# Altium PCB amp.PcbDoc (part 8 of 20) (continued)
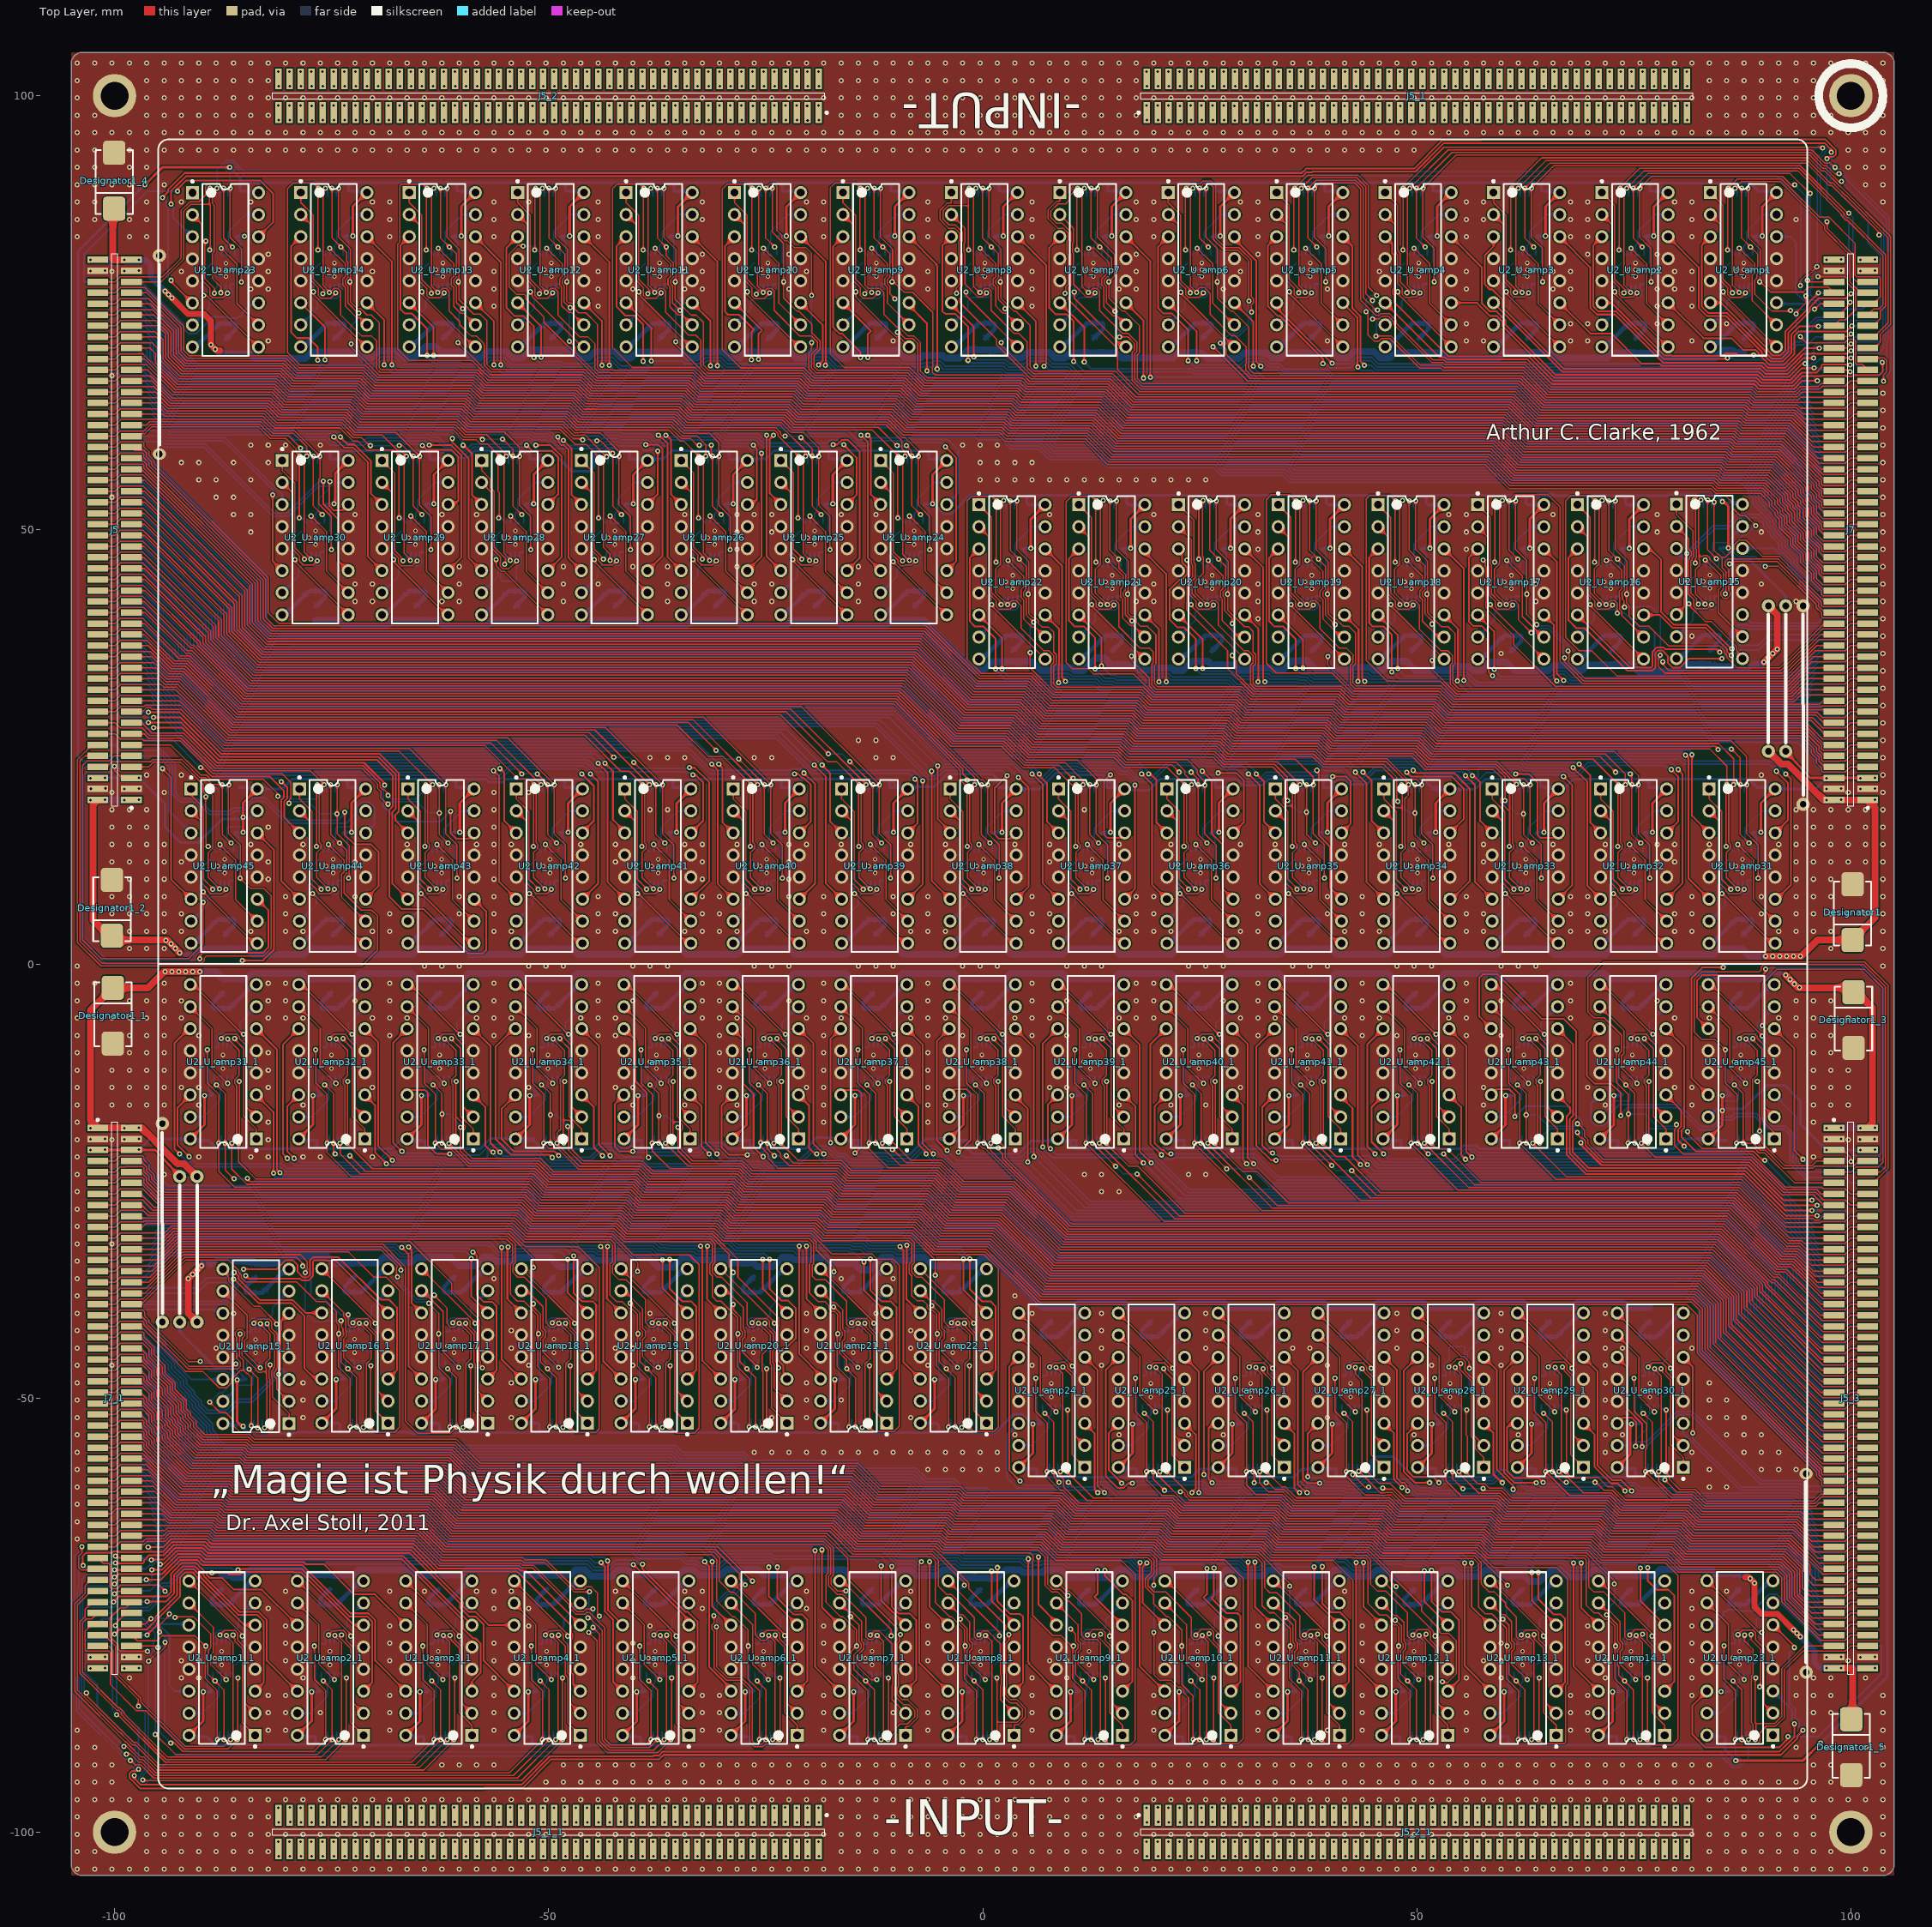
[diagram p0: Top Layer view]
## Nets (pads, with @x,y where several pads share a name; then routed paths per layer and width w, separated by ;. In a path a pad name is that pad's centre, name@x,y a point inside that pad or via, vN(x,y) a via of type N, cw(c..) or ccw(c..) an arc to the next point about the centre after c; other vN are vias at no path point) (continued)
NetJ5_13: J5.13 J5_3.13 R1_U_amp44.6 R1_U_amp44_1.6 U1_U_amp44.5 U1_U_amp44_1.5 | length 79.4
  Top Layer w0.15: J5.13@-98.05,26.505 -96.586,26.505 -96.081,26 -92.324,26 -89.024,22.7 -89.017,22.7 -88.558,22.241 -77.446,22.241 v1(-75.87,20.665) -76.433,20.102 -76.433,13.996 -76.208,13.771 -76.208,13.336 -76.71,12.834 -76.71,9.948 v1(-75.412,8.651) v1@-75.412,8.626 ; v1@75.412,-8.626 v1(75.412,-8.651) 76.71,-9.948 76.71,-12.834 76.208,-13.336 76.208,-13.771 76.433,-13.996 76.433,-20.102 v1(75.87,-20.665) 77.446,-22.241 88.558,-22.241 89.017,-22.7 89.024,-22.7 92.324,-26 96.081,-26 96.586,-26.505 J5_3.13@98.05,-26.505
  Bottom Layer w0.15: v1(-75.87,20.665) -75.612,20.407 R1_U_amp44.6@-75.612,19.768 ; v1(-75.412,8.651) -75.338,8.726 U1_U_amp44.5@-75.338,9.618 ; U1_U_amp44_1.5@75.338,-9.618 75.338,-8.726 v1(75.412,-8.651) ; R1_U_amp44_1.6@75.612,-19.768 75.612,-20.407 v1(75.87,-20.665)
NetJ5_14: J5.14 J5_3.14 R1_U_amp44.8 R1_U_amp44_1.8 U1_U_amp44.1 U1_U_amp44_1.1 | length 92.7
  Top Layer w0.15: J5.14@-101.95,26.505 -99.938,26.505 -99.343,25.91 -96.837,25.91 -96.627,25.7 -92.449,25.7 -89.674,22.925 -88.673,21.925 -80.725,21.925 -79.7,20.9 -79.7,19.1 -79.775,19.025 -79.775,18.943 -79.9,18.818 v1(-79.9,18.5) ; v1(-74.346,20.665) -74.362,20.649 -74.362,15.026 -72.975,13.64 -72.975,9.945 v1(-73.05,9.87) ; v1(73.05,-9.87) 72.975,-9.945 72.975,-13.64 74.362,-15.026 74.362,-20.649 v1(74.346,-20.665) ; v1(79.9,-18.5) 79.9,-18.818 79.775,-18.943 79.775,-19.025 79.7,-19.1 79.7,-20.9 80.725,-21.925 88.673,-21.925 89.674,-22.925 92.449,-25.7 96.627,-25.7 96.837,-25.91 99.343,-25.91 99.938,-26.505 J5_3.14@101.95,-26.505
  Bottom Layer w0.15: v1(-79.9,18.5) -79.7,18.7 -77.7,18.7 -76.3,17.3 v1(-74.4,17.3) ; R1_U_amp44.8@-74.612,19.768 -74.612,20.272 -74.346,20.538 v1(-74.346,20.665) ; U1_U_amp44.1@-73.188,10.518 -73.05,10.381 v1(-73.05,9.87) ; v1(73.05,-9.87) 73.05,-10.381 U1_U_amp44_1.1@73.188,-10.518 ; v1(74.346,-20.665) 74.346,-20.538 74.612,-20.272 R1_U_amp44_1.8@74.612,-19.768 ; v1(74.4,-17.3) 76.3,-17.3 77.7,-18.7 79.7,-18.7 v1(79.9,-18.5)
NetJ5_15: J5.15 J5_3.15 R1_U_amp43.5 R1_U_amp43_1.5 U1_U_amp43.9 U1_U_amp43_1.9 | length 96.7
  Top Layer w0.15: J5.15@-98.05,27.775 -96.875,27.775 -95.7,26.6 -92.069,26.6 -88.31,22.841 -71.401,22.841 -69.425,20.865 -69.425,20.383 -69.117,20.075 -68.95,20.075 -68.5,19.625 v1(-68.5,19.4) ; v1(-64.243,13.553) -64.243,20.589 v1(-64.167,20.665) ; v1(64.167,-20.665) 64.243,-20.589 v1(64.243,-13.553) ; v1(68.5,-19.4) 68.5,-19.625 68.95,-20.075 69.117,-20.075 69.425,-20.383 69.425,-20.865 71.401,-22.841 88.31,-22.841 92.069,-26.6 95.7,-26.6 96.875,-27.775 J5_3.15@98.05,-27.775
  Bottom Layer w0.15: v1(-68.5,19.4) -68.1,19 -65.3,19 -64.167,20.133 v1(-64.167,20.665) -63.621,20.12 R1_U_amp43.5@-63.621,19.768 ; v1(-64.243,13.553) -63.982,13.553 U1_U_amp43.9@-63.347,12.918 ; U1_U_amp43_1.9@63.347,-12.918 63.982,-13.553 v1(64.243,-13.553) ; R1_U_amp43_1.5@63.621,-19.768 63.621,-20.12 v1(64.167,-20.665) 64.167,-20.133 65.3,-19 68.1,-19 v1(68.5,-19.4)
NetJ5_16: J5.16 J5_3.16 R1_U_amp43.7 R1_U_amp43_1.7 U1_U_amp43.13 U1_U_amp43_1.13 | length 107.6
  Top Layer w0.15: J5.16@-101.95,27.775 -99.938,27.775 -99.343,27.18 -96.837,27.18 -95.957,26.3 -92.2,26.3 -91,25.1 -90.993,25.1 -88.434,22.541 -71.525,22.541 -69.725,20.741 -69.725,20.258 -69.3,19.833 -69.3,19.1 -68.6,18.4 v1(-68.5,18.4) ; v1(-62.617,20.665) -62.617,14.925 v1(-61.601,13.909) ; v1(61.601,-13.909) 62.617,-14.925 v1(62.617,-20.665) ; v1(68.5,-18.4) 68.6,-18.4 69.3,-19.1 69.3,-19.833 69.725,-20.258 69.725,-20.741 71.525,-22.541 88.434,-22.541 90.993,-25.1 91,-25.1 92.2,-26.3 95.957,-26.3 96.837,-27.18 99.343,-27.18 99.938,-27.775 J5_3.16@101.95,-27.775
  Bottom Layer w0.15: v1(-68.5,18.4) -68.2,18.7 -65.2,18.7 -63.9,17.4 v1(-62.6,17.4) ; R1_U_amp43.7@-62.621,19.768 -62.621,20.661 v1(-62.617,20.665) ; v1(-61.601,13.909) -61.347,13.655 U1_U_amp43.13@-61.347,12.918 ; U1_U_amp43_1.13@61.347,-12.918 61.347,-13.655 v1(61.601,-13.909) ; v1(62.6,-17.4) 63.9,-17.4 65.2,-18.7 68.2,-18.7 v1(68.5,-18.4) ; v1(62.617,-20.665) 62.621,-20.661 R1_U_amp43_1.7@62.621,-19.768
NetJ5_17: J5.17 J5_3.17 R1_U_amp43.6 R1_U_amp43_1.6 U1_U_amp43.5 U1_U_amp43_1.5 | length 107.3
  Top Layer w0.15: J5.17@-98.05,29.045 -96.797,29.045 -96.317,29.525 -95.883,29.525 -95.683,29.325 -92.39,29.325 -87.606,24.541 -67.255,24.541 v1(-63.379,20.665) -63.943,20.102 -63.943,13.996 -63.718,13.771 -63.718,13.336 -64.22,12.834 -64.22,9.948 v1(-62.922,8.651) v1@-62.922,8.626 ; v1@62.922,-8.626 v1(62.922,-8.651) 64.22,-9.948 64.22,-12.834 63.718,-13.336 63.718,-13.771 63.943,-13.996 63.943,-20.102 v1(63.379,-20.665) 67.255,-24.541 87.606,-24.541 92.39,-29.325 95.683,-29.325 95.883,-29.525 96.317,-29.525 96.797,-29.045 J5_3.17@98.05,-29.045
  Bottom Layer w0.15: v1(-63.379,20.665) -63.121,20.407 R1_U_amp43.6@-63.121,19.768 ; v1(-62.922,8.651) -62.847,8.726 U1_U_amp43.5@-62.847,9.618 ; U1_U_amp43_1.5@62.847,-9.618 62.847,-8.726 v1(62.922,-8.651) ; R1_U_amp43_1.6@63.121,-19.768 63.121,-20.407 v1(63.379,-20.665)
NetJ5_18: J5.18 J5_3.18 R1_U_amp43.8 R1_U_amp43_1.8 U1_U_amp43.1 U1_U_amp43_1.1 | length 114.5
  Top Layer w0.15: J5.18@-101.95,29.045 -99.938,29.045 -99.343,29.64 -96.627,29.64 -96.442,29.825 -92.465,29.825 -87.481,24.841 -66.051,24.841 -62.092,20.883 -62.092,20.87 -61.871,20.649 -61.871,15.026 -60.56,13.715 v1(-60.56,9.87) ; v1(60.56,-9.87) 60.56,-13.715 61.871,-15.026 61.871,-20.649 62.092,-20.87 62.092,-20.883 66.051,-24.841 87.481,-24.841 92.465,-29.825 96.442,-29.825 96.627,-29.64 99.343,-29.64 99.938,-29.045 J5_3.18@101.95,-29.045
  Bottom Layer w0.15: R1_U_amp43.8@-62.121,19.768 -62.121,20.272 -61.855,20.538 v1(-61.855,20.665) ; U1_U_amp43.1@-60.697,10.518 -60.56,10.381 v1(-60.56,9.87) ; v1(60.56,-9.87) 60.56,-10.381 U1_U_amp43_1.1@60.697,-10.518 ; v1(61.855,-20.665) 61.855,-20.538 62.121,-20.272 R1_U_amp43_1.8@62.121,-19.768
NetJ5_19: J5.19 J5_3.19 R1_U_amp42.5 R1_U_amp42_1.5 U1_U_amp42.9 U1_U_amp42_1.9 | length 119.6
  Top Layer w0.15: J5.19@-98.05,30.315 -92.531,30.315 -87.357,25.141 -57.341,25.141 -53.5,21.3 -52.311,21.3 v1(-51.677,20.665) -51.753,20.589 v1(-51.753,13.553) ; v1(51.753,-13.553) 51.753,-20.589 v1(51.677,-20.665) 52.311,-21.3 53.5,-21.3 57.341,-25.141 87.357,-25.141 92.531,-30.315 J5_3.19@98.05,-30.315
  Bottom Layer w0.15: v1(-51.753,13.553) -51.492,13.553 U1_U_amp42.9@-50.857,12.918 ; v1(-51.677,20.665) -51.131,20.12 R1_U_amp42.5@-51.131,19.768 ; U1_U_amp42_1.9@50.857,-12.918 51.492,-13.553 v1(51.753,-13.553) ; R1_U_amp42_1.5@51.131,-19.768 51.131,-20.12 v1(51.677,-20.665)
NetJ5_20: J5.20 J5_3.20 R1_U_amp42.7 R1_U_amp42_1.7 U1_U_amp42.13 U1_U_amp42_1.13 | length 131
  Top Layer w0.15: J5.20@-101.95,30.315 -99.938,30.315 -99.343,30.91 -92.702,30.91 -87.233,25.441 -56.641,25.441 v1(-53.1,21.9) ; v1(-51.3,21.9) -50.127,20.727 v1(-50.127,20.665) -50.127,14.925 v1(-49.111,13.909) ; v1(49.111,-13.909) 50.127,-14.925 v1(50.127,-20.665) 50.127,-20.727 v1(51.3,-21.9) ; v1(53.1,-21.9) 56.641,-25.441 87.233,-25.441 92.702,-30.91 99.343,-30.91 99.938,-30.315 J5_3.20@101.95,-30.315
  Bottom Layer w0.15: v1(-53.1,21.9) v1(-51.3,21.9) ; R1_U_amp42.7@-50.131,19.768 -50.131,20.661 v1(-50.127,20.665) ; v1(-49.111,13.909) -48.857,13.655 U1_U_amp42.13@-48.857,12.918 ; U1_U_amp42_1.13@48.857,-12.918 48.857,-13.655 v1(49.111,-13.909) ; v1(50.127,-20.665) 50.131,-20.661 R1_U_amp42_1.7@50.131,-19.768 ; v1(51.3,-21.9) v1(53.1,-21.9)
NetJ5_21: J5.21 J5_3.21 R1_U_amp42.6 R1_U_amp42_1.6 U1_U_amp42.5 U1_U_amp42_1.5 | length 133.6
  Top Layer w0.15: J5.21@-98.05,31.585 -92.953,31.585 -87.109,25.741 -55.965,25.741 v1(-50.889,20.665) -51.453,20.102 -51.453,13.996 -51.228,13.771 -51.228,13.336 -51.729,12.834 -51.729,9.948 v1(-50.432,8.651) v1@-50.432,8.626 ; v1@50.432,-8.626 v1(50.432,-8.651) 51.729,-9.948 51.729,-12.834 51.228,-13.336 51.228,-13.771 51.453,-13.996 51.453,-20.102 v1(50.889,-20.665) 55.965,-25.741 87.109,-25.741 92.953,-31.585 J5_3.21@98.05,-31.585
  Bottom Layer w0.15: v1(-50.889,20.665) -50.631,20.407 R1_U_amp42.6@-50.631,19.768 ; v1(-50.432,8.651) -50.357,8.726 U1_U_amp42.5@-50.357,9.618 ; U1_U_amp42_1.5@50.357,-9.618 50.357,-8.726 v1(50.432,-8.651) ; R1_U_amp42_1.6@50.631,-19.768 50.631,-20.407 v1(50.889,-20.665)
NetJ5_22: J5.22 J5_3.22 R1_U_amp42.8 R1_U_amp42_1.8 U1_U_amp42.1 U1_U_amp42_1.1 | length 141.4
  Top Layer w0.15: J5.22@-101.95,31.585 -99.938,31.585 -99.343,32.18 -97.32,32.18 -97.3,32.2 -94.643,32.2 -94.343,31.9 -92.843,31.9 -86.984,26.041 -54.699,26.041 -49.602,20.945 -49.602,20.87 -49.381,20.649 -49.381,15.026 -48.07,13.715 v1(-48.07,9.87) ; v1(48.07,-9.87) 48.07,-13.715 49.381,-15.026 49.381,-20.649 49.602,-20.87 49.602,-20.945 54.699,-26.041 86.984,-26.041 92.843,-31.9 94.343,-31.9 94.643,-32.2 97.3,-32.2 97.32,-32.18 99.343,-32.18 99.938,-31.585 J5_3.22@101.95,-31.585
  Bottom Layer w0.15: R1_U_amp42.8@-49.631,19.768 -49.631,20.272 -49.365,20.538 v1(-49.365,20.665) ; U1_U_amp42.1@-48.207,10.518 -48.07,10.381 v1(-48.07,9.87) ; v1(48.07,-9.87) 48.07,-10.381 U1_U_amp42_1.1@48.207,-10.518 ; v1(49.365,-20.665) 49.365,-20.538 49.631,-20.272 R1_U_amp42_1.8@49.631,-19.768
NetJ5_23: J5.23 J5_3.23 R1_U_amp41.5 R1_U_amp41_1.5 U1_U_amp41.9 U1_U_amp41_1.9 | length 146.7
  Top Layer w0.15: J5.23@-98.05,32.855 -94.873,32.855 -94.218,32.2 -92.719,32.2 -86.86,26.341 -45.841,26.341 -41.7,22.2 -40.721,22.2 v1(-39.186,20.665) -39.263,20.589 v1(-39.263,13.553) ; v1(39.263,-13.553) 39.263,-20.589 v1(39.186,-20.665) 40.721,-22.2 41.7,-22.2 45.841,-26.341 86.86,-26.341 92.719,-32.2 94.218,-32.2 94.873,-32.855 J5_3.23@98.05,-32.855
  Bottom Layer w0.15: v1(-39.263,13.553) -39.002,13.553 U1_U_amp41.9@-38.367,12.918 ; v1(-39.186,20.665) -38.641,20.12 R1_U_amp41.5@-38.641,19.768 ; U1_U_amp41_1.9@38.367,-12.918 39.002,-13.553 v1(39.263,-13.553) ; R1_U_amp41_1.5@38.641,-19.768 38.641,-20.12 v1(39.186,-20.665)
NetJ5_24: J5.24 J5_3.24 R1_U_amp41.7 R1_U_amp41_1.7 U1_U_amp41.13 U1_U_amp41_1.13 | length 158.5
  Top Layer w0.15: J5.24@-101.95,32.855 -99.938,32.855 -99.343,33.45 -95.044,33.45 -94.094,32.5 -92.595,32.5 -86.736,26.641 -45.341,26.641 v1(-42.5,23.8) ; v1(-40.2,23.2) -40.172,23.2 v1(-37.637,20.665) -37.637,14.925 v1(-36.621,13.909) ; v1(36.621,-13.909) 37.637,-14.925 v1(37.637,-20.665) 40.172,-23.2 v1(40.2,-23.2) ; v1(42.5,-23.8) 45.341,-26.641 86.736,-26.641 92.595,-32.5 94.094,-32.5 95.044,-33.45 99.343,-33.45 99.938,-32.855 J5_3.24@101.95,-32.855
  Bottom Layer w0.15: v1(-42.5,23.8) -40.7,23.8 -40.1,23.2 v1(-40.2,23.2) ; R1_U_amp41.7@-37.641,19.768 -37.641,20.661 v1(-37.637,20.665) ; v1(-36.621,13.909) -36.367,13.655 U1_U_amp41.13@-36.367,12.918 ; U1_U_amp41_1.13@36.367,-12.918 36.367,-13.655 v1(36.621,-13.909) ; v1(37.637,-20.665) 37.641,-20.661 R1_U_amp41_1.7@37.641,-19.768 ; v1(40.2,-23.2) 40.1,-23.2 40.7,-23.8 v1(42.5,-23.8)
NetJ5_25: J5.25 J5_3.25 R1_U_amp41.6 R1_U_amp41_1.6 U1_U_amp41.5 U1_U_amp41_1.5 | length 160.7
  Top Layer w0.15: J5.25@-98.05,34.125 -95.295,34.125 -93.97,32.8 -92.47,32.8 -86.612,26.941 -44.675,26.941 -40.725,22.991 -40.725,22.983 -38.408,20.665 v1(-38.399,20.665) -38.963,20.102 -38.963,13.996 -38.738,13.771 -38.738,13.336 -39.239,12.834 -39.239,9.948 v1(-37.942,8.651) v1@-37.942,8.626 ; v1@37.942,-8.626 v1(37.942,-8.651) 39.239,-9.948 39.239,-12.834 38.738,-13.336 38.738,-13.771 38.963,-13.996 38.963,-20.102 v1(38.399,-20.665) 38.408,-20.665 40.725,-22.983 40.725,-22.991 44.675,-26.941 86.612,-26.941 92.47,-32.8 93.97,-32.8 95.295,-34.125 J5_3.25@98.05,-34.125
  Bottom Layer w0.15: v1(-38.399,20.665) -38.141,20.407 R1_U_amp41.6@-38.141,19.768 ; v1(-37.942,8.651) -37.867,8.726 U1_U_amp41.5@-37.867,9.618 ; U1_U_amp41_1.5@37.867,-9.618 37.867,-8.726 v1(37.942,-8.651) ; R1_U_amp41_1.6@38.141,-19.768 38.141,-20.407 v1(38.399,-20.665)
NetJ5_26: J5.26 J5_3.26 R1_U_amp41.8 R1_U_amp41_1.8 U1_U_amp41.1 U1_U_amp41_1.1 | length 168.4
  Top Layer w0.15: J5.26@-101.95,34.125 -99.938,34.125 -99.343,34.72 -95.466,34.72 -93.846,33.1 -92.346,33.1 -86.487,27.241 -43.471,27.241 -37.112,20.883 -37.112,20.87 -36.891,20.649 -36.891,15.026 -35.58,13.715 v1(-35.58,9.87) ; v1(35.58,-9.87) 35.58,-13.715 36.891,-15.026 36.891,-20.649 37.112,-20.87 37.112,-20.883 43.471,-27.241 86.487,-27.241 92.346,-33.1 93.846,-33.1 95.466,-34.72 99.343,-34.72 99.938,-34.125 J5_3.26@101.95,-34.125
  Bottom Layer w0.15: R1_U_amp41.8@-37.141,19.768 -37.141,20.272 -36.875,20.538 v1(-36.875,20.665) ; U1_U_amp41.1@-35.717,10.518 -35.58,10.381 v1(-35.58,9.87) ; v1(35.58,-9.87) 35.58,-10.381 U1_U_amp41_1.1@35.717,-10.518 ; v1(36.875,-20.665) 36.875,-20.538 37.141,-20.272 R1_U_amp41_1.8@37.141,-19.768
NetJ5_27: J5.27 J5_3.27 R1_U_amp40.5 R1_U_amp40_1.5 U1_U_amp40.9 U1_U_amp40_1.9 | length 173.8
  Top Layer w0.15: J5.27@-98.05,35.395 -95.716,35.395 -93.721,33.4 -93.1,33.4 -92.222,33.4 -86.363,27.541 -35.241,27.541 -31.6,23.9 -29.931,23.9 v1(-26.696,20.665) -26.772,20.589 v1(-26.772,13.553) ; v1(26.772,-13.553) 26.772,-20.589 v1(26.696,-20.665) 29.931,-23.9 31.6,-23.9 35.241,-27.541 86.363,-27.541 92.222,-33.4 93.1,-33.4 93.721,-33.4 95.716,-35.395 J5_3.27@98.05,-35.395
  Bottom Layer w0.15: v1(-26.772,13.553) -26.512,13.553 U1_U_amp40.9@-25.877,12.918 ; v1(-26.696,20.665) -26.151,20.12 R1_U_amp40.5@-26.151,19.768 ; U1_U_amp40_1.9@25.877,-12.918 26.512,-13.553 v1(26.772,-13.553) ; R1_U_amp40_1.5@26.151,-19.768 26.151,-20.12 v1(26.696,-20.665)
NetJ5_28: J5.28 J5_3.28 R1_U_amp40.7 R1_U_amp40_1.7 U1_U_amp40.13 U1_U_amp40_1.13 | length 185.2
  Top Layer w0.15: J5.28@-101.95,35.395 -99.938,35.395 -99.343,35.99 -97.31,35.99 -97.3,36 -97.29,35.99 -95.887,35.99 -93.597,33.7 -92.098,33.7 -86.239,27.841 -33.941,27.841 v1(-30.7,24.6) ; v1(-28.1,23.6) -25.165,20.665 v1(-25.147,20.665) -25.147,14.925 v1(-24.131,13.909) ; v1(24.131,-13.909) 25.147,-14.925 v1(25.147,-20.665) 25.165,-20.665 v1(28.1,-23.6) ; v1(30.7,-24.6) 33.941,-27.841 86.239,-27.841 92.098,-33.7 93.597,-33.7 95.887,-35.99 97.29,-35.99 97.3,-36 97.31,-35.99 99.343,-35.99 99.938,-35.395 J5_3.28@101.95,-35.395
  Bottom Layer w0.15: v1(-30.7,24.6) -29.7,23.6 v1(-28.1,23.6) ; R1_U_amp40.7@-25.151,19.768 -25.151,20.661 v1(-25.147,20.665) ; v1(-24.131,13.909) -23.877,13.655 U1_U_amp40.13@-23.877,12.918 ; U1_U_amp40_1.13@23.877,-12.918 23.877,-13.655 v1(24.131,-13.909) ; v1(25.147,-20.665) 25.151,-20.661 R1_U_amp40_1.7@25.151,-19.768 ; v1(28.1,-23.6) 29.7,-23.6 v1(30.7,-24.6)
NetJ5_29: J5.29 J5_3.29 R1_U_amp40.6 R1_U_amp40_1.6 U1_U_amp40.5 U1_U_amp40_1.5 | length 187.8
  Top Layer w0.15: J5.29@-98.05,36.665 -96.138,36.665 -93.473,34 -91.973,34 -86.115,28.141 -33.385,28.141 v1(-25.909,20.665) -26.472,20.102 -26.472,13.996 -26.247,13.771 -26.247,13.336 -26.749,12.834 -26.749,9.948 v1(-25.452,8.651) v1@-25.452,8.626 ; v1@25.452,-8.626 v1(25.452,-8.651) 26.749,-9.948 26.749,-12.834 26.247,-13.336 26.247,-13.771 26.472,-13.996 26.472,-20.102 v1(25.909,-20.665) 33.385,-28.141 86.115,-28.141 91.973,-34 93.473,-34 96.138,-36.665 J5_3.29@98.05,-36.665
  Bottom Layer w0.15: v1(-25.909,20.665) -25.651,20.407 R1_U_amp40.6@-25.651,19.768 ; v1(-25.452,8.651) -25.377,8.726 U1_U_amp40.5@-25.377,9.618 ; U1_U_amp40_1.5@25.377,-9.618 25.377,-8.726 v1(25.452,-8.651) ; R1_U_amp40_1.6@25.651,-19.768 25.651,-20.407 v1(25.909,-20.665)
NetJ5_30: J5.30 J5_3.30 R1_U_amp40.8 R1_U_amp40_1.8 U1_U_amp40.1 U1_U_amp40_1.1 | length 195.4
  Top Layer w0.15: J5.30@-101.95,36.665 -99.938,36.665 -99.343,37.26 -96.309,37.26 -93.349,34.3 -91.849,34.3 -85.99,28.441 -32.18,28.441 -24.622,20.883 -24.622,20.87 -24.401,20.649 -24.401,15.026 -23.089,13.715 v1(-23.089,9.87) ; v1(23.089,-9.87) 23.089,-13.715 24.401,-15.026 24.401,-20.649 24.622,-20.87 24.622,-20.883 32.18,-28.441 85.99,-28.441 91.849,-34.3 93.349,-34.3 96.309,-37.26 99.343,-37.26 99.938,-36.665 J5_3.30@101.95,-36.665
  Bottom Layer w0.15: R1_U_amp40.8@-24.651,19.768 -24.651,20.272 -24.385,20.538 v1(-24.385,20.665) ; U1_U_amp40.1@-23.227,10.518 -23.089,10.381 v1(-23.089,9.87) ; v1(23.089,-9.87) 23.089,-10.381 U1_U_amp40_1.1@23.227,-10.518 ; v1(24.385,-20.665) 24.385,-20.538 24.651,-20.272 R1_U_amp40_1.8@24.651,-19.768
NetJ5_31: J5.31 J5_3.31 R1_U_amp39.5 R1_U_amp39_1.5 U1_U_amp39.9 U1_U_amp39_1.9 | length 200.8
  Top Layer w0.15: J5.31@-98.05,37.935 -96.559,37.935 -93.224,34.6 -91.725,34.6 -85.866,28.741 -23.341,28.741 -17.9,23.3 -16.841,23.3 v1(-14.206,20.665) -14.282,20.589 v1(-14.282,13.553) ; v1(14.282,-13.553) 14.282,-20.589 v1(14.206,-20.665) 16.841,-23.3 17.9,-23.3 23.341,-28.741 85.866,-28.741 91.725,-34.6 93.224,-34.6 96.559,-37.935 J5_3.31@98.05,-37.935
  Bottom Layer w0.15: v1(-14.282,13.553) -14.022,13.553 U1_U_amp39.9@-13.387,12.918 ; v1(-14.206,20.665) -13.661,20.12 R1_U_amp39.5@-13.661,19.768 ; U1_U_amp39_1.9@13.387,-12.918 14.022,-13.553 v1(14.282,-13.553) ; R1_U_amp39_1.5@13.661,-19.768 13.661,-20.12 v1(14.206,-20.665)
NetJ5_32: J5.32 J5_3.32 R1_U_amp39.7 R1_U_amp39_1.7 U1_U_amp39.13 U1_U_amp39_1.13 | length 212.2
  Top Layer w0.15: J5.32@-101.95,37.935 -99.938,37.935 -99.343,38.53 -96.73,38.53 -93.1,34.9 -91.601,34.9 -85.742,29.041 -22.641,29.041 v1(-17.8,24.2) ; v1(-15.3,23.3) -12.665,20.665 v1(-12.657,20.665) -12.657,14.925 v1(-11.641,13.909) ; v1(11.641,-13.909) 12.657,-14.925 v1(12.657,-20.665) 12.665,-20.665 v1(15.3,-23.3) ; v1(17.8,-24.2) 22.641,-29.041 85.742,-29.041 91.601,-34.9 93.1,-34.9 96.73,-38.53 99.343,-38.53 99.938,-37.935 J5_3.32@101.95,-37.935
  Bottom Layer w0.15: v1(-17.8,24.2) -16.2,24.2 v1(-15.3,23.3) ; R1_U_amp39.7@-12.661,19.768 -12.661,20.661 v1(-12.657,20.665) ; v1(-11.641,13.909) -11.387,13.655 U1_U_amp39.13@-11.387,12.918 ; U1_U_amp39_1.13@11.387,-12.918 11.387,-13.655 v1(11.641,-13.909) ; v1(12.657,-20.665) 12.661,-20.661 R1_U_amp39_1.7@12.661,-19.768 ; v1(15.3,-23.3) 16.2,-24.2 v1(17.8,-24.2)
NetJ5_33: J5.33 J5_3.33 R1_U_amp39.6 R1_U_amp39_1.6 U1_U_amp39.5 U1_U_amp39_1.5 | length 214.8
  Top Layer w0.15: J5.33@-98.05,39.205 -96.586,39.205 -92.581,35.2 -91.476,35.2 -85.618,29.341 -22.095,29.341 v1(-13.419,20.665) -13.982,20.102 -13.982,13.996 -13.757,13.771 -13.757,13.336 -14.259,12.834 -14.259,9.948 v1(-12.961,8.651) v1@-12.961,8.626 ; v1@12.961,-8.626 v1(12.961,-8.651) 14.259,-9.948 14.259,-12.834 13.757,-13.336 13.757,-13.771 13.982,-13.996 13.982,-20.102 v1(13.419,-20.665) 22.095,-29.341 85.618,-29.341 91.476,-35.2 92.581,-35.2 96.586,-39.205 J5_3.33@98.05,-39.205
  Bottom Layer w0.15: v1(-13.419,20.665) -13.161,20.407 R1_U_amp39.6@-13.161,19.768 ; v1(-12.961,8.651) -12.887,8.726 U1_U_amp39.5@-12.887,9.618 ; U1_U_amp39_1.5@12.887,-9.618 12.887,-8.726 v1(12.961,-8.651) ; R1_U_amp39_1.6@13.161,-19.768 13.161,-20.407 v1(13.419,-20.665)
NetJ5_34: J5.34 J5_3.34 R1_U_amp39.8 R1_U_amp39_1.8 U1_U_amp39.1 U1_U_amp39_1.1 | length 222.5
  Top Layer w0.15: J5.34@-101.95,39.205 -99.938,39.205 -99.343,39.8 -96.757,39.8 -92.457,35.5 -91.352,35.5 -85.493,29.641 -20.89,29.641 -12.132,20.883 -12.132,20.87 -11.911,20.649 -11.911,15.026 -10.599,13.715 v1(-10.599,9.87) ; v1(10.599,-9.87) 10.599,-13.715 11.911,-15.026 11.911,-20.649 12.132,-20.87 12.132,-20.883 20.89,-29.641 85.493,-29.641 91.352,-35.5 92.457,-35.5 96.757,-39.8 99.343,-39.8 99.938,-39.205 J5_3.34@101.95,-39.205
  Bottom Layer w0.15: R1_U_amp39.8@-12.161,19.768 -12.161,20.272 -11.895,20.538 v1(-11.895,20.665) ; U1_U_amp39.1@-10.737,10.518 -10.599,10.381 v1(-10.599,9.87) ; v1(10.599,-9.87) 10.599,-10.381 U1_U_amp39_1.1@10.737,-10.518 ; v1(11.895,-20.665) 11.895,-20.538 12.161,-20.272 R1_U_amp39_1.8@12.161,-19.768
NetJ5_35: J5.35 J5_3.35 R1_U_amp38.5 R1_U_amp38_1.5 U1_U_amp38.9 U1_U_amp38_1.9 | length 229.6
  Top Layer w0.15: J5.35@-98.05,40.475 -96.499,40.475 -91.824,35.8 -91.228,35.8 -85.369,29.941 -10.217,29.941 -2.6,22.324 -2.6,21.2 v1(-1.8,20.4) -1.8,20.581 -1.792,20.589 v1(-1.792,13.553) ; v1(1.792,-13.553) 1.792,-20.589 1.8,-20.581 v1(1.8,-20.4) 2.6,-21.2 2.6,-22.324 10.217,-29.941 85.369,-29.941 91.228,-35.8 91.824,-35.8 96.499,-40.475 J5_3.35@98.05,-40.475
  Bottom Layer w0.15: v1(-1.8,20.4) -1.651,20.4 -1.551,20.5 -1.17,20.12 R1_U_amp38.5@-1.17,19.768 ; v1(-1.792,13.553) -1.531,13.553 U1_U_amp38.9@-0.896,12.918 ; U1_U_amp38_1.9@0.896,-12.918 1.531,-13.553 v1(1.792,-13.553) ; R1_U_amp38_1.5@1.17,-19.768 1.17,-20.12 1.551,-20.5 1.651,-20.4 v1(1.8,-20.4)
NetJ5_36: J5.36 J5_3.36 R1_U_amp38.7 R1_U_amp38_1.7 U1_U_amp38.13 U1_U_amp38_1.13 | length 240.6
  Top Layer w0.15: J5.36@-101.95,40.475 -99.938,40.475 -99.343,41.07 -96.67,41.07 -91.7,36.1 -91.104,36.1 -85.245,30.241 -10.093,30.241 -2.3,22.448 -2.3,21.9 -1.9,21.5 -1.9,21.1 v1(-1.8,21.2) ; v1(-0.85,-13.909) 0.166,-14.925 v1(0.166,-20.665) ; v1(-0.166,20.665) -0.166,14.925 v1(0.85,13.909) ; v1(1.8,-21.2) 1.9,-21.1 1.9,-21.5 2.3,-21.9 2.3,-22.448 10.093,-30.241 85.245,-30.241 91.104,-36.1 91.7,-36.1 96.67,-41.07 99.343,-41.07 99.938,-40.475 J5_3.36@101.95,-40.475
  Bottom Layer w0.15: v1(-1.8,21.2) -0.701,21.2 v1(-0.166,20.665) -0.17,20.661 R1_U_amp38.7@-0.17,19.768 ; U1_U_amp38_1.13@-1.104,-12.918 -1.104,-13.655 v1(-0.85,-13.909) ; R1_U_amp38_1.7@0.17,-19.768 0.17,-20.661 v1(0.166,-20.665) 0.701,-21.2 v1(1.8,-21.2) ; v1(0.85,13.909) 1.104,13.655 U1_U_amp38.13@1.104,12.918
NetJ5_37: J5.37 J5_3.37 R1_U_amp38.6 R1_U_amp38_1.6 U1_U_amp38.5 U1_U_amp38_1.5 | length 242.9
  Top Layer w0.15: J5.37@-98.05,41.745 -96.586,41.745 -91.241,36.4 -90.979,36.4 -85.12,30.541 -9.969,30.541 -0.928,21.501 v1(-0.928,20.665) -0.928,20.529 -1.492,19.966 -1.492,13.996 -1.267,13.771 -1.267,13.336 -1.769,12.834 -1.769,9.948 v1(-0.471,8.651) v1@-0.471,8.626 ; v1@0.471,-8.626 v1(0.471,-8.651) 1.769,-9.948 1.769,-12.834 1.267,-13.336 1.267,-13.771 1.492,-13.996 1.492,-19.966 0.928,-20.529 v1(0.928,-20.665) 0.928,-21.501 9.969,-30.541 85.12,-30.541 90.979,-36.4 91.241,-36.4 96.586,-41.745 J5_3.37@98.05,-41.745
  Bottom Layer w0.15: v1(-0.928,20.665) -0.67,20.407 R1_U_amp38.6@-0.67,19.768 ; v1(-0.471,8.651) -0.396,8.726 U1_U_amp38.5@-0.396,9.618 ; U1_U_amp38_1.5@0.396,-9.618 0.396,-8.726 v1(0.471,-8.651) ; R1_U_amp38_1.6@0.67,-19.768 0.67,-20.407 v1(0.928,-20.665)
NetJ5_38: J5.38 J5_3.38 R1_U_amp38.8 R1_U_amp38_1.8 U1_U_amp38.1 U1_U_amp38_1.1 | length 249.6
  Top Layer w0.15: J5.38@-101.95,41.745 -99.938,41.745 -99.343,42.34 -96.757,42.34 -91.117,36.7 -90.855,36.7 -84.996,30.841 -9.844,30.841 -0.193,21.19 0.051,21.19 0.359,20.883 0.359,20.638 0.58,20.417 0.58,15.026 1.891,13.715 v1(1.891,9.87) ; v1(-1.891,-9.87) -1.891,-13.715 -0.58,-15.026 -0.58,-20.417 -0.359,-20.638 -0.359,-20.883 -0.051,-21.19 0.193,-21.19 9.844,-30.841 84.996,-30.841 90.855,-36.7 91.117,-36.7 96.757,-42.34 99.343,-42.34 99.938,-41.745 J5_3.38@101.95,-41.745
  Bottom Layer w0.15: v1(-1.891,-9.87) -1.891,-10.381 U1_U_amp38_1.1@-1.754,-10.518 ; v1(-0.596,-20.665) -0.596,-20.538 -0.33,-20.272 R1_U_amp38_1.8@-0.33,-19.768 ; R1_U_amp38.8@0.33,19.768 0.33,20.272 0.596,20.538 v1(0.596,20.665) ; U1_U_amp38.1@1.754,10.518 1.891,10.381 v1(1.891,9.87)
NetJ5_39: J5.39 J5_3.39 R1_U_amp37.5 R1_U_amp37_1.5 U1_U_amp37.9 U1_U_amp37_1.9 | length 255.2
  Top Layer w0.15: J5.39@-98.05,43.015 -96.539,43.015 -90.413,36.889 -90.413,36.682 -84.872,31.141 -9.72,31.141 -3.639,25.06 2.199,25.06 4.687,22.572 8.328,22.572 10.325,20.575 10.684,20.575 v1@10.698,20.589 ; v1(-10.774,-20.665) v1@-10.698,-20.589 ; v1(-10.698,-13.553) v1@-10.698,-20.589 ; v1(10.698,13.553) v1@10.698,20.589 ; v1(10.774,20.665) v1@10.698,20.589 ; J5_3.39@98.05,-43.015 96.539,-43.015 90.413,-36.889 90.413,-36.682 84.872,-31.141 9.72,-31.141 3.639,-25.06 -2.199,-25.06 -4.687,-22.572 -8.328,-22.572 -10.325,-20.575 -10.684,-20.575 v1@-10.698,-20.589
  Bottom Layer w0.15: U1_U_amp37_1.9@-11.594,-12.918 -10.959,-13.553 v1(-10.698,-13.553) ; R1_U_amp37_1.5@-11.32,-19.768 -11.32,-20.12 v1(-10.774,-20.665) ; v1(10.698,13.553) 10.959,13.553 U1_U_amp37.9@11.594,12.918 ; v1(10.774,20.665) 11.32,20.12 R1_U_amp37.5@11.32,19.768
NetJ5_40: J5.40 J5_3.40 R1_U_amp37.7 R1_U_amp37_1.7 U1_U_amp37.13 U1_U_amp37_1.13 | length 267.5
  Top Layer w0.15: J5.40@-101.95,43.015 -99.938,43.015 -99.343,43.61 -96.71,43.61 -90.113,37.013 -90.113,36.806 -84.748,31.441 -9.596,31.441 -3.515,25.36 2.323,25.36 4.811,22.872 8.828,22.872 10.3,21.4 v1(10.4,21.4) ; v1(-13.34,-13.909) -12.324,-14.925 v1(-12.324,-20.665) ; v1(-10.4,-21.4) -10.3,-21.4 -8.828,-22.872 -4.811,-22.872 -2.323,-25.36 3.515,-25.36 9.596,-31.441 84.748,-31.441 90.113,-36.806 90.113,-37.013 96.71,-43.61 99.343,-43.61 99.938,-43.015 J5_3.40@101.95,-43.015 ; v1(12.324,20.665) 12.324,14.925 v1(13.34,13.909)
  Bottom Layer w0.15: U1_U_amp37_1.13@-13.594,-12.918 -13.594,-13.655 v1(-13.34,-13.909) ; R1_U_amp37_1.7@-12.32,-19.768 -12.32,-20.661 v1(-12.324,-20.665) -12.304,-20.665 -11.779,-21.19 v1@-10.214,-21.19 ; v1(-10.4,-21.4) -10.4,-21.376 v1@-10.214,-21.19 ; v1(10.4,21.4) 10.4,21.376 v1@10.214,21.19 ; R1_U_amp37.7@12.32,19.768 12.32,20.661 v1(12.324,20.665) 12.304,20.665 11.779,21.19 v1@10.214,21.19 ; v1(13.34,13.909) 13.594,13.655 U1_U_amp37.13@13.594,12.918 ; v1@-10.214,-21.19 -10.19,-21.19 -10.202,-21.178 v1@-10.214,-21.19 ; v1@10.214,21.19 10.202,21.178 10.19,21.19 v1@10.214,21.19
NetJ5_41: J5.41 J5_3.41 R1_U_amp37.6 R1_U_amp37_1.6 U1_U_amp37.5 U1_U_amp37_1.5 | length 270.3
  Top Layer w0.15: J5.41@-98.05,44.285 -96.509,44.285 -89.813,37.589 -89.813,36.931 -84.623,31.741 -9.472,31.741 -3.391,25.66 2.448,25.66 4.936,23.172 9.528,23.172 11.562,21.138 v1(11.562,20.665) 10.998,20.102 10.998,13.996 11.223,13.771 11.223,13.336 10.722,12.834 10.722,9.948 v1(12.019,8.651) v1@12.019,8.626 ; v1@-12.019,-8.626 v1(-12.019,-8.651) -10.722,-9.948 -10.722,-12.834 -11.223,-13.336 -11.223,-13.771 -10.998,-13.996 -10.998,-20.102 v1(-11.562,-20.665) -11.562,-21.138 -9.528,-23.172 -4.936,-23.172 -2.448,-25.66 3.391,-25.66 9.472,-31.741 84.623,-31.741 89.813,-36.931 89.813,-37.589 96.509,-44.285 J5_3.41@98.05,-44.285
  Bottom Layer w0.15: U1_U_amp37_1.5@-12.094,-9.618 -12.094,-8.726 v1(-12.019,-8.651) ; R1_U_amp37_1.6@-11.82,-19.768 -11.82,-20.407 v1(-11.562,-20.665) ; v1(11.562,20.665) 11.82,20.407 R1_U_amp37.6@11.82,19.768 ; v1(12.019,8.651) 12.094,8.726 U1_U_amp37.5@12.094,9.618
NetJ5_42: J5.42 J5_3.42 R1_U_amp37.8 R1_U_amp37_1.8 U1_U_amp37.1 U1_U_amp37_1.1 | length 278.2
  Top Layer w0.15: J5.42@-101.95,44.285 -99.938,44.285 -99.343,44.88 -96.68,44.88 -89.513,37.713 -89.513,37.055 -84.499,32.041 -9.347,32.041 -3.266,25.96 2.572,25.96 5.06,23.472 10.928,23.472 13.07,21.33 13.07,15.026 14.381,13.715 v1(14.381,9.87) ; v1(-14.381,-9.87) -14.381,-13.715 -13.07,-15.026 -13.07,-21.33 -10.928,-23.472 -5.06,-23.472 -2.572,-25.96 3.266,-25.96 9.347,-32.041 84.499,-32.041 89.513,-37.055 89.513,-37.713 96.68,-44.88 99.343,-44.88 99.938,-44.285 J5_3.42@101.95,-44.285
  Bottom Layer w0.15: v1(-14.381,-9.87) -14.381,-10.381 U1_U_amp37_1.1@-14.244,-10.518 ; v1(-13.086,-20.665) -13.086,-20.538 -12.82,-20.272 R1_U_amp37_1.8@-12.82,-19.768 ; R1_U_amp37.8@12.82,19.768 12.82,20.272 13.086,20.538 v1(13.086,20.665) ; U1_U_amp37.1@14.244,10.518 14.381,10.381 v1(14.381,9.87)
NetJ5_43: J5.43 J5_3.43 R1_U_amp36.5 R1_U_amp36_1.5 U1_U_amp36.9 U1_U_amp36_1.9 | length 283.1
  Top Layer w0.15: J5.43@-98.05,45.555 -96.586,45.555 -89.213,38.182 -89.213,37.179 -84.375,32.341 -9.223,32.341 -3.142,26.26 2.696,26.26 5.184,23.772 15.14,23.772 16.259,22.653 21.247,22.653 23.188,20.712 v1(23.188,13.553) ; v1(-23.188,-13.553) -23.188,-20.712 -21.247,-22.653 -16.259,-22.653 -15.14,-23.772 -5.184,-23.772 -2.696,-26.26 3.142,-26.26 9.223,-32.341 84.375,-32.341 89.213,-37.179 89.213,-38.182 96.586,-45.555 J5_3.43@98.05,-45.555
  Bottom Layer w0.15: U1_U_amp36_1.9@-24.084,-12.918 -23.449,-13.553 v1(-23.188,-13.553) ; R1_U_amp36_1.5@-23.81,-19.768 -23.81,-20.12 v1(-23.265,-20.665) ; v1(23.188,13.553) 23.449,13.553 U1_U_amp36.9@24.084,12.918 ; v1(23.265,20.665) 23.81,20.12 R1_U_amp36.5@23.81,19.768